# Altium PCB HAWACO_DATALOGER_DT-G2_V1.0.3.PcbDoc (part 1 of 3) (continued)
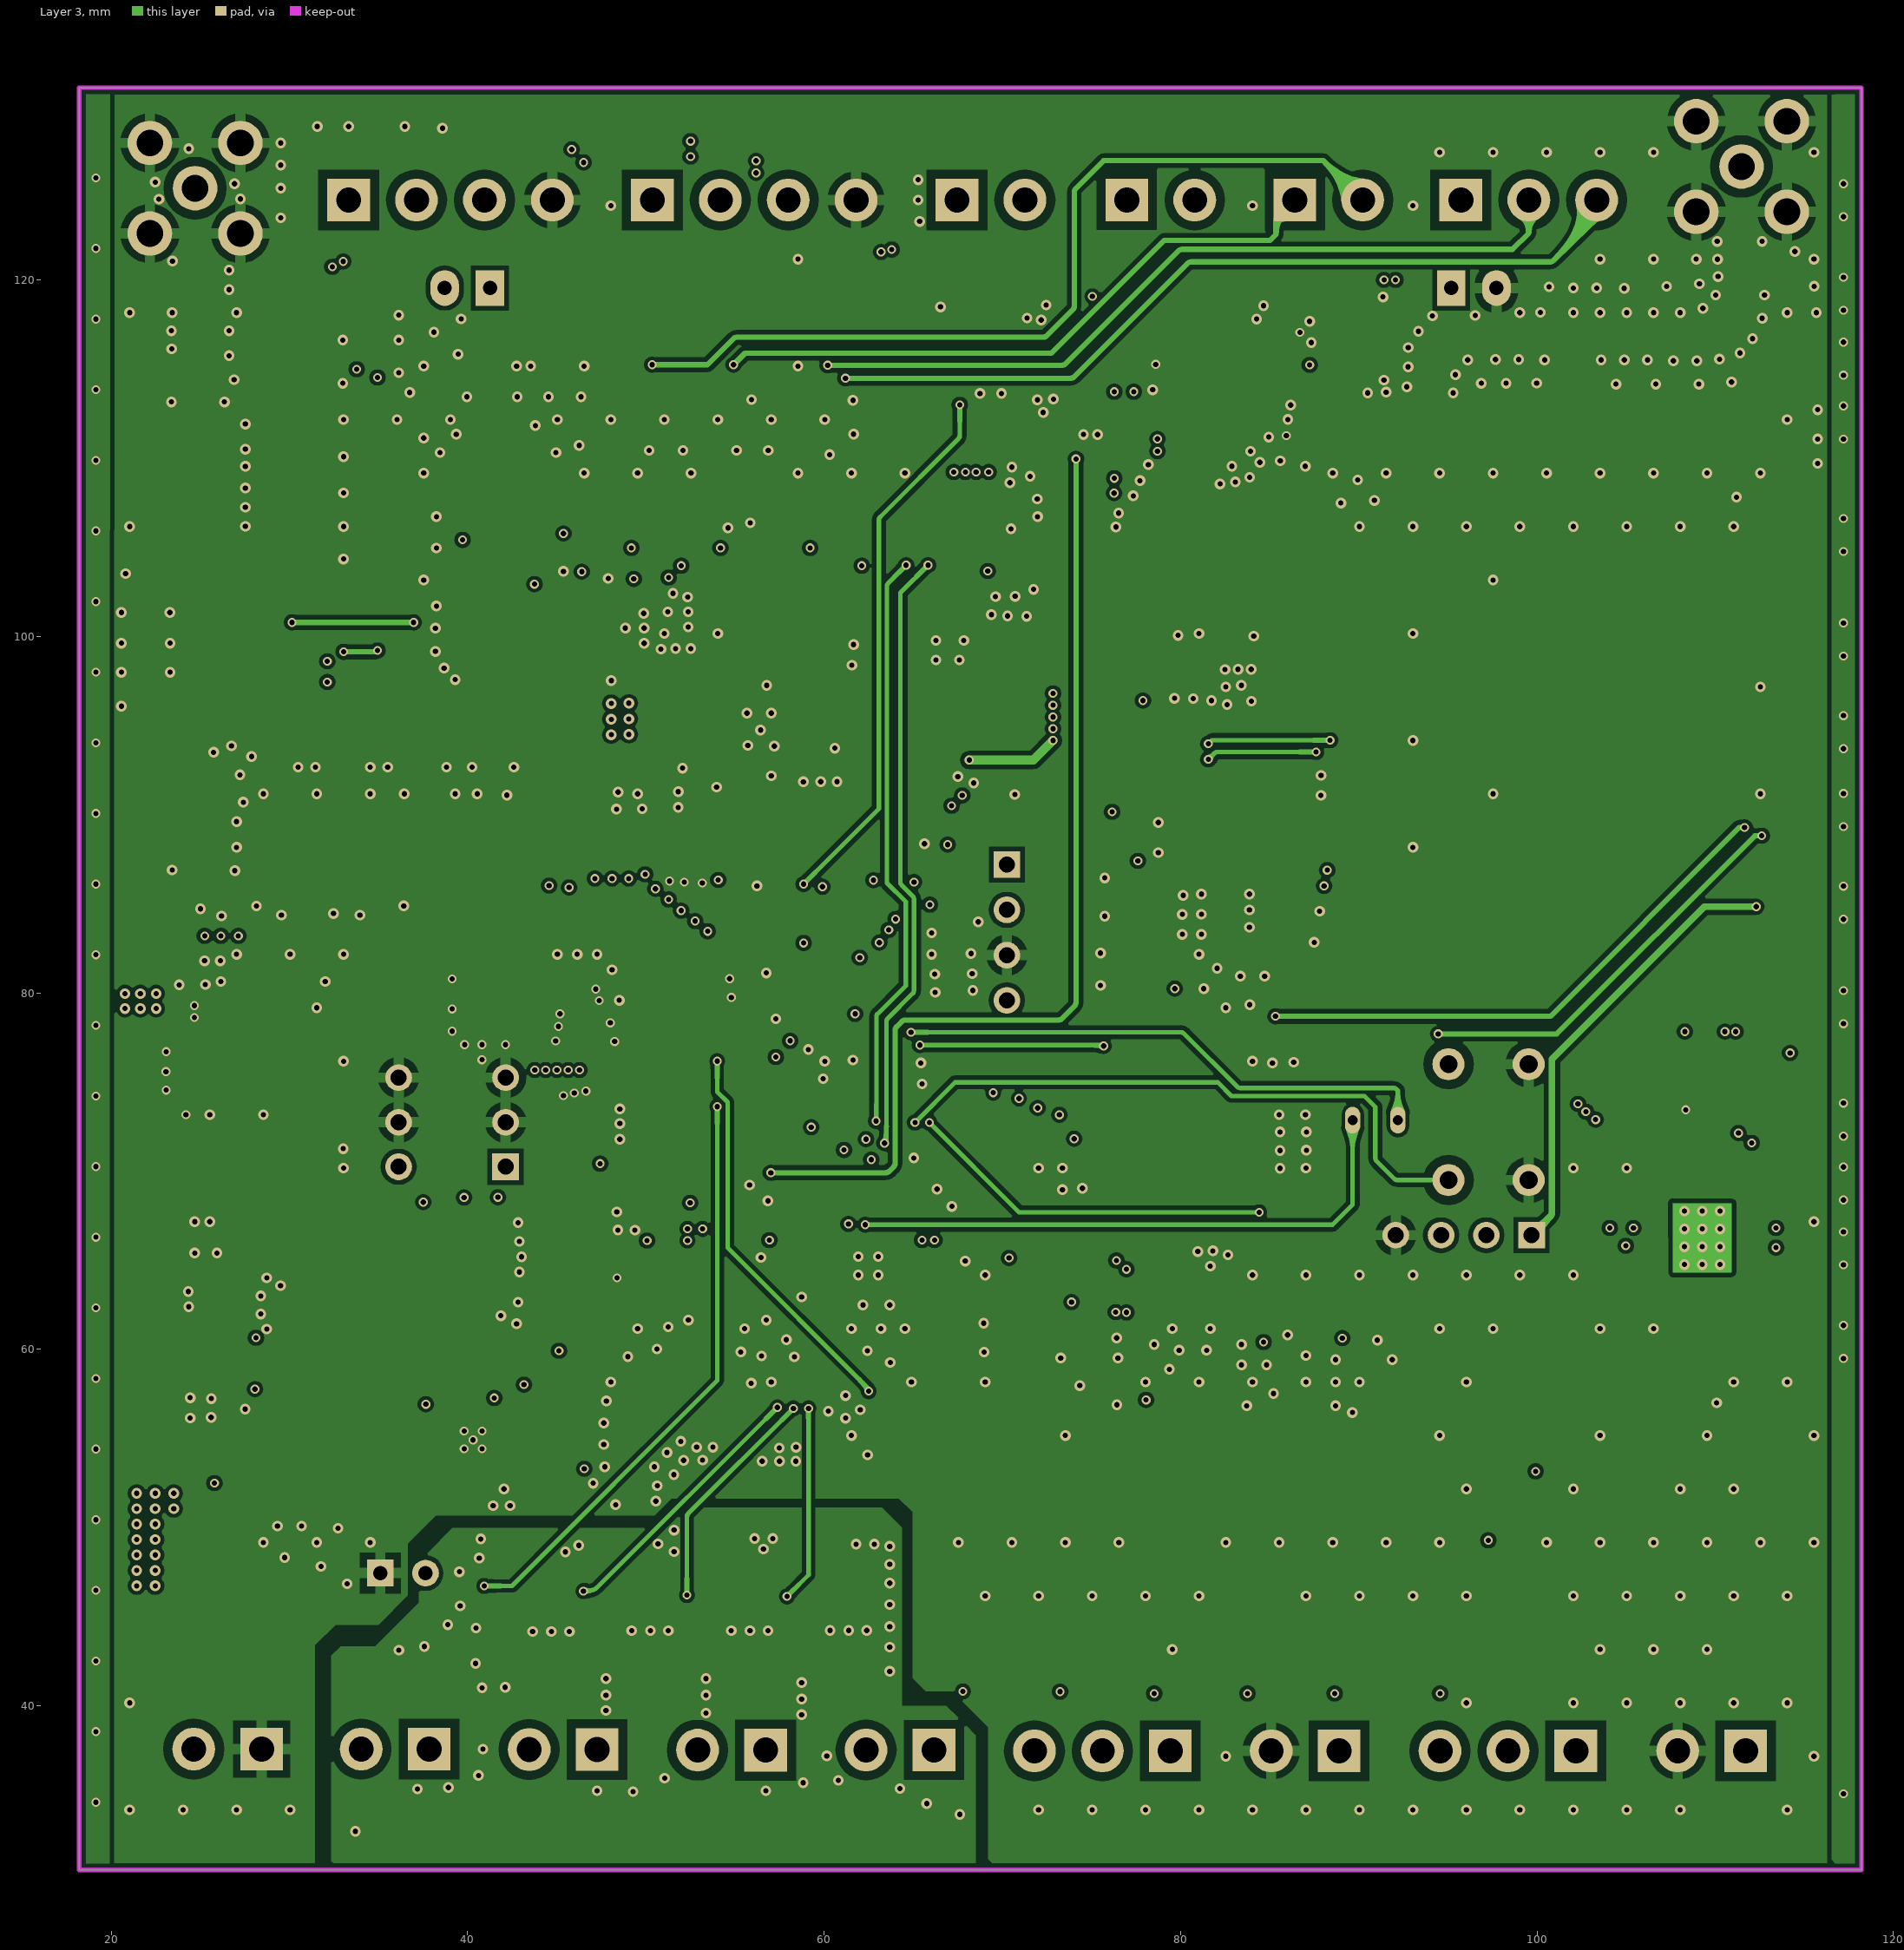
[diagram p3: Layer 3]
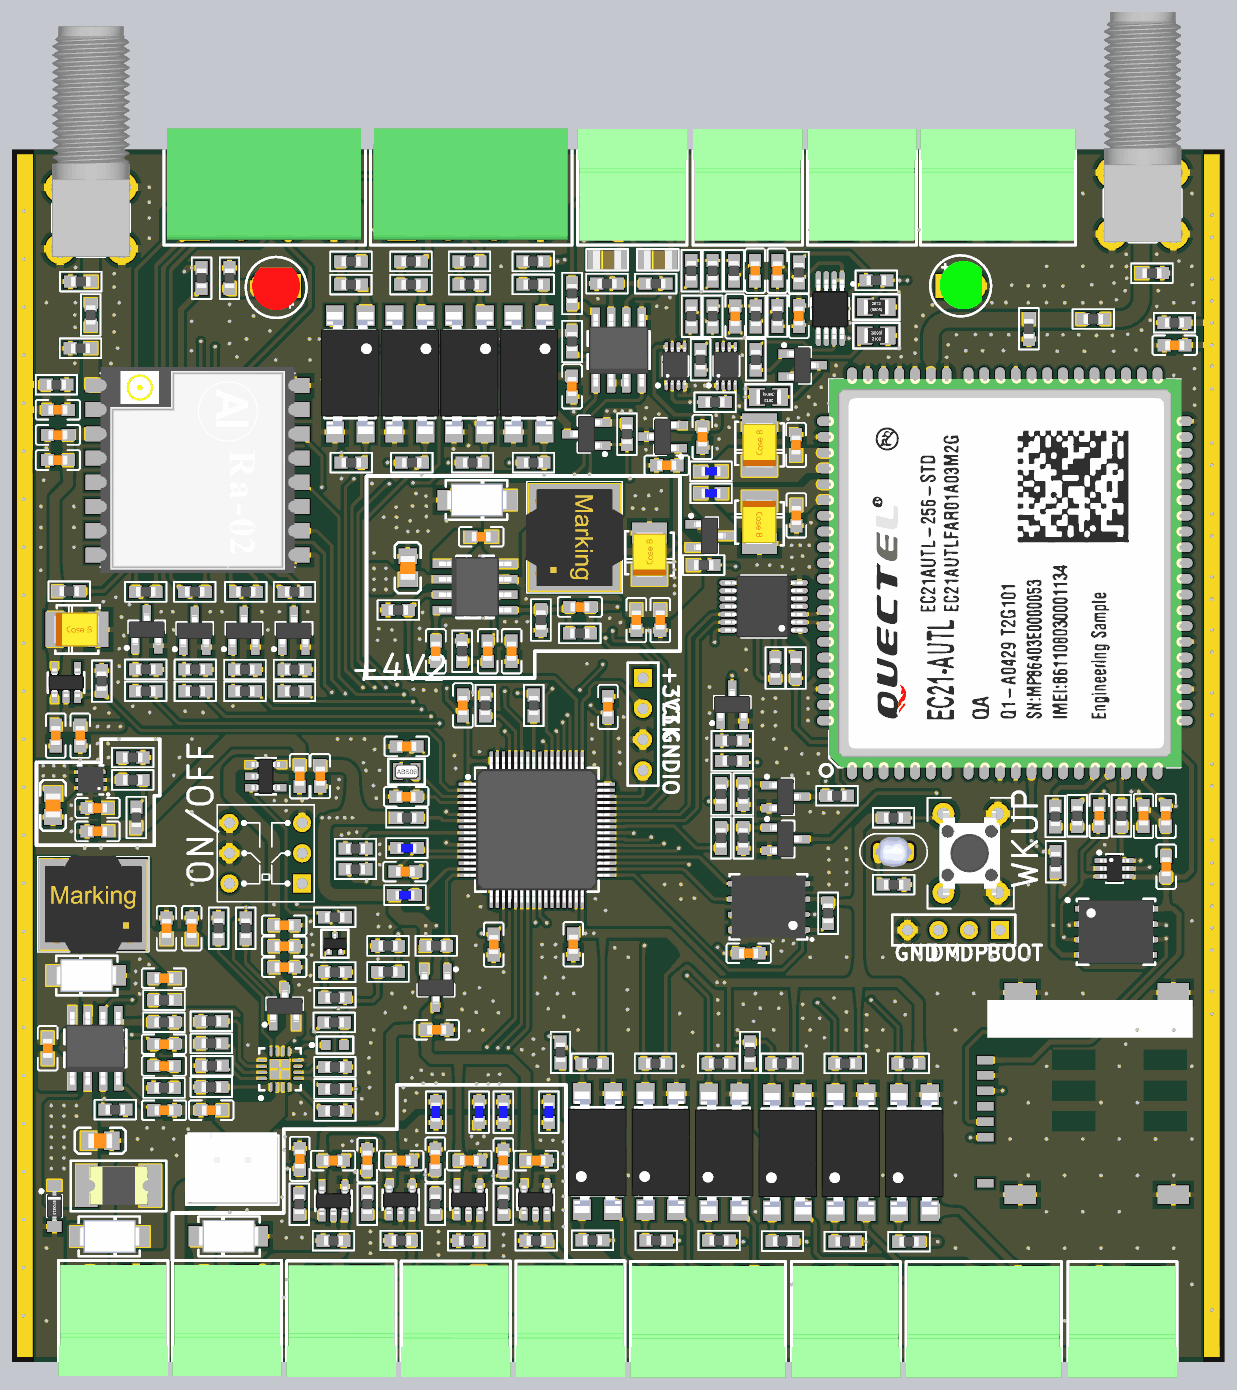
[diagram p6: 3D render of the assembled board from above, using the file's embedded part models]
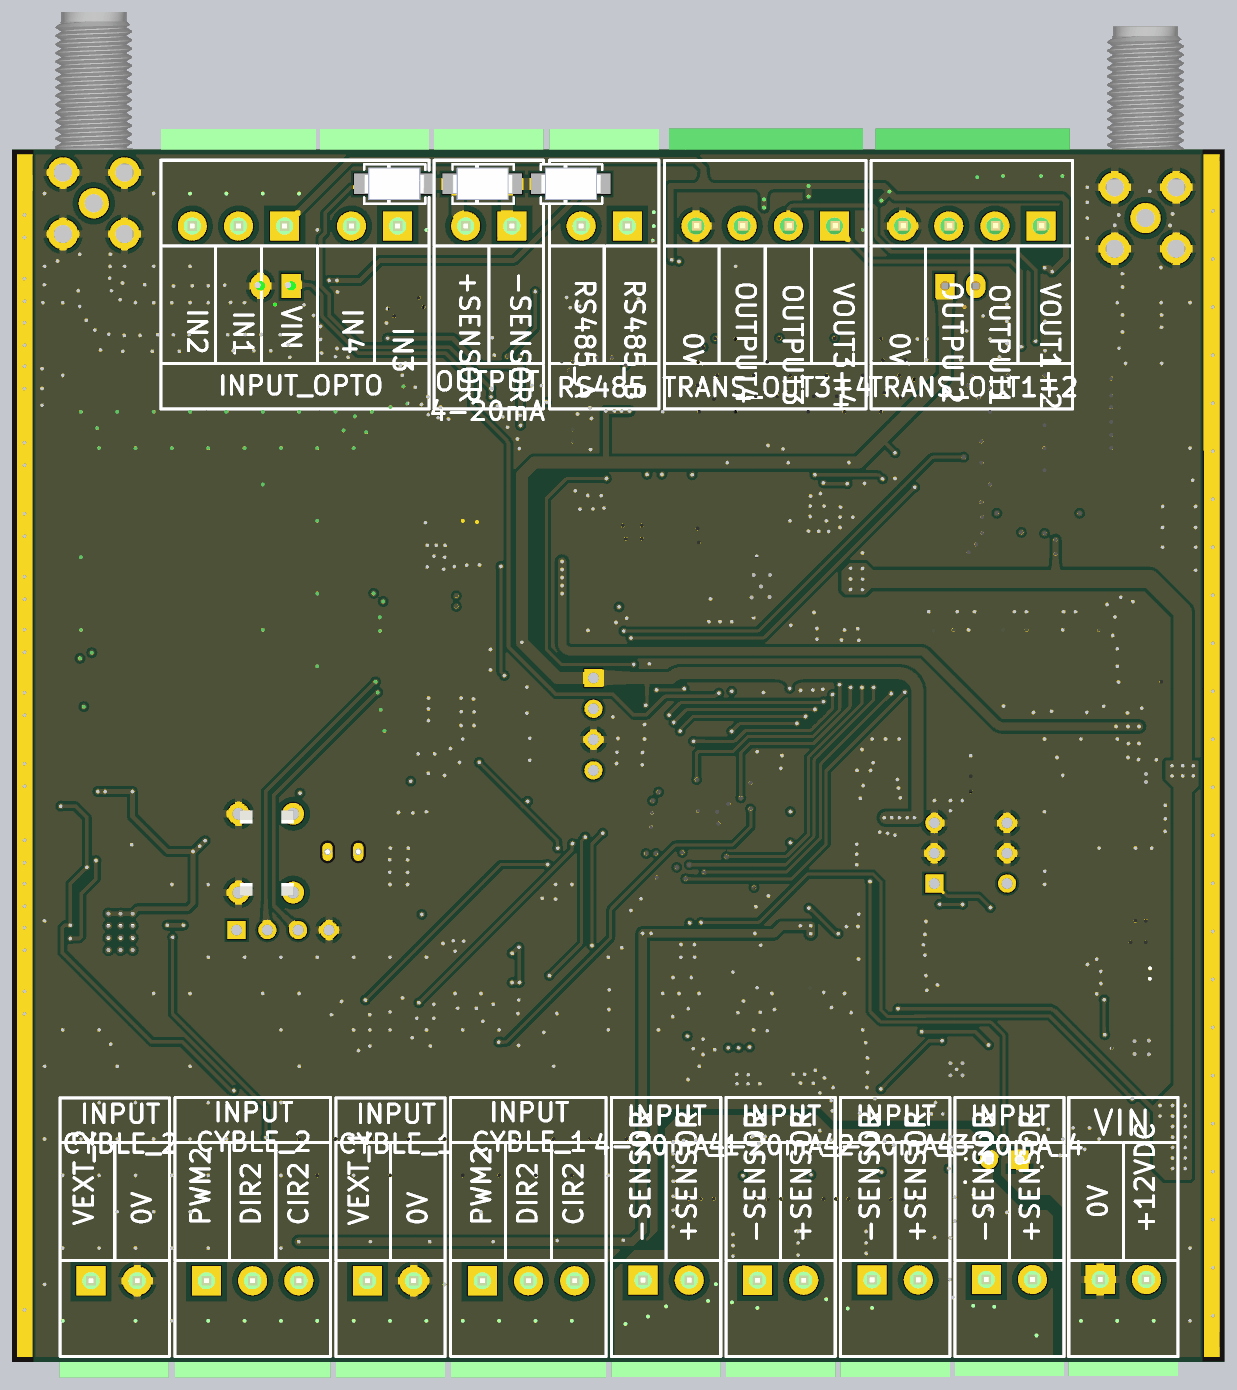
[diagram p7: 3D render of the assembled board from below, using the file's embedded part models]

## Layer stack, top to bottom
Top Solder: solder mask 0.01, Solder Resist, Dk 3.5
Top Layer: signal copper 0.036
Dielectric 2: prepreg 0.195, PP-006, Dk 4.1
Layer 2: signal copper 0.0175
Dielectric 1: dielectric 1.1, FR-4, Dk 4.8
Layer 3: signal copper 0.0175
Dielectric 3: prepreg 0.195, PP-006, Dk 4.1
Bottom Layer: signal copper 0.036
Bottom Solder: solder mask 0.01, Solder Resist, Dk 3.5

## Board outline
18.212,30.785 118.212,30.785 118.212,130.785 18.212,130.785

## Design rules (kind name [scope] priority, off if disabled: settings)
Clearance bighole [HoleDiameter >0.99 vs InPolygon] p1: gap=0.5 ignorepadtopadclearanceinfootprint=FALSE
Clearance "CUTOUT & PAD" [HasFootprint('Antenna 4G') vs OnLayer('Keep-Out Layer')] p2: gap=0.01 ignorepadtopadclearanceinfootprint=FALSE
Clearance ANT [InNet('GSM AT1')OR InNet('GSM AT2')OR InNet('NetR18_2') vs InPolygon] p3: gap=0.254 ignorepadtopadclearanceinfootprint=FALSE
Clearance "SMALL PAD" [(PadXSize_AllLayers<0.46) or (PadYSize_AllLayers<0.86)  or HasFootprint('32-VQFN') or HasFootprint('DC3_6P_1.27')] p4: gap=0.2 ignorepadtopadclearanceinfootprint=FALSE except(0.1: THPad-THPad; 0.15: Track-Track Track-SMDPad Track-Region SMDPad-SMDPad SMDPad-Region Region-Region; 0.254: Track-Poly SMDPad-Poly)
Clearance [All] p5: gap=0.254 ignorepadtopadclearanceinfootprint=FALSE except(0.15: Region-Region; 0.16: SMDPad-Region; 0.2: Arc-Arc Arc-Track Arc-SMDPad Arc-Region Track-Track Track-SMDPad Track-THPad Track-Region SMDPad-SMDPad THPad-Region Via-Region)
Height [All] p1: minheight=0 maxheight=50 prefheight=12.7
HoleSize [All] p1: absolutevalues=TRUE maxlimit=5 minlimit=0.025 maxpercent=80.000 minpercent=20.000
HoleToHoleClearance [All] p1: gap=0 allowstackedmicrovias=TRUE
MinimumSolderMaskSliver [All] p1: minsoldermaskwidth=0
PolygonConnect "big hole" [(PadXSize_AllLayers>0.9)or  (PadySize_AllLayers>0.9) or HoleDiameter > 0.79] p1: thpad.connectstyle=Relief thpad.reliefconductorwidth=0.6 thpad.reliefentries=4 thpad.polygonreliefangle="90 Angle" thpad.airgapwidth=0.5 smdpad.connectstyle=Relief smdpad.reliefconductorwidth=0.6 smdpad.reliefentries=4 smdpad.polygonreliefangle="90 Angle" smdpad.airgapwidth=0.5 via.connectstyle=Direct via.reliefconductorwidth=0.254 via.reliefentries=4 via.polygonreliefangle="90 Angle" via.airgapwidth=0.254
PolygonConnect [All] p2: thpad.connectstyle=Relief thpad.reliefconductorwidth=0.6 thpad.reliefentries=4 thpad.polygonreliefangle="90 Angle" thpad.airgapwidth=0.4 smdpad.connectstyle=Relief smdpad.reliefconductorwidth=0.4 smdpad.reliefentries=4 smdpad.polygonreliefangle="90 Angle" smdpad.airgapwidth=0.4 via.connectstyle=Direct via.reliefconductorwidth=0.254 via.reliefentries=4 via.polygonreliefangle="90 Angle" via.airgapwidth=0.254
RoutingVias [All] p1: holewidth=0.3 width=0.5 viastyle="Through Hole" minholewidth=0.3 minwidth=0.5 maxholewidth=0.3 maxwidth=0.5
ShortCircuit "ShortCircuit ANT" [HasFootprint('Antenna 4G')] p1: allowed=TRUE
ShortCircuit [All] p2: allowed=FALSE
SilkToSilkClearance [All] p1: silktosilkclearance=0
SilkToSolderMaskClearance [IsPad] p1: minsilkscreentomaskgap=0 clearancetoexposedcopper=TRUE
SolderMaskExpansion [All] p1: expansion=0.102 istentingtop=FALSE
Width [All] p1: maxlimit=5 minlimit=0.1 preferedwidth=0.254
23 further rules are at their usual default settings.

## Classes and differential pairs
component class U_05: AT1 C31 C32 C33 C34 C35 C36 C37 C38 D7 L3 L4 M1 P4 P5 Q2 Q3 Q4 R26 R27 R28 R29 R30 R31 R32 R33 R34 R35 R36 R37 R38 R39 R40 R41 R42 U7 U8 U9
component class U_04: AT2 C39 C40 C41 C42 C43 C44 C45 C46 C47 C48 C49 C50 C51 C52 C53 C54 C55 C56 C57 C58 C59 C60 C61 C62 C63 C64 C65 D8 D9 D10 D11 D12 D13 D14 D15 D16 D17 D18 D19 F2 F3 L5 L6 L7 L8 L9 L10 O1 O2 O3 O4 O5 O6 O7 O8 O9 O10 P6 P7 P8 P9 P10 P11 P12 P13 P14 P15 P16 P17 P18 P19 P20 P21 Q5 R43 R44 R45 R46 R47 R48 R49 R50 R51 R52 R53 R54 R55 R56 R57 R58 R59 R60 R61 R62 R63 R64 R65 R66 R67 R68 R69 R70 R71 R72 R73 R74 R75 R76 R77 R78 R79 R80 R81 R82 R83 R84 R85 R86 R87 R88 R89 R90 R91 R92 R93 R94 R95 R96 R97 R98 R99 R100 R101 R102 R103 R104 R105 R106 R107 R108 R109 R110 R111 R112 R113 R114 R115 R116 R117 R118 R119 R120 R121 R122 R123 R124 R125 R126 R127 R128 U10 U11 U12 U13 U14 U15 U16 U17 U18 U19 U20 U21 X1
component class U_03: C1 C2 C3 C4 C5 C6 C7 C8 C9 C10 C11 C12 C13 C14 C15 C16 C17 C18 C19 C20 C21 C22 C23 C24 C25 C26 C27 C28 C29 C30 D1 D2 D3 D4 D5 D6 F1 L1 L2 P1 P2 P3 Q1 R1 R2 R3 R4 R5 R6 R7 R8 R9 R10 R11 R12 R13 R14 R15 R16 R17 R18 R19 R20 R21 R22 R23 R24 R25 U1 U2 U3 U4 U5 U6

## Components (designator, comment, footprint, x,y, rotation, side; value= is the part's Value field where it differs from the comment)
AT1 "SMA" SMA-KWE-17-V1 111.481,126.365 r90 top
AT2 "SMA" SMA-KWE-17-V1 24.714,125.146 r90 top
C1 "104/50V" "CAPC-0603 (1608)" 56.912,98.853 r0 top
C2 "10uF/25V" "CAPC-0805 (2012)" 50.85,96.288 r270 top
C3 "NF" CAP_TANTAL_1210(3528) 70.79,97.409 r90 top value=227/6.3V
C4 "47uF/6.3V" "CAPC-0603 (1608)" 71.676,91.983 r90 top
C5 "104/50V" "CAPC-0603 (1608)" 69.706,91.977 r90 top
C6 "103/16V" "CAPC-0603 (1608)" 65.046,93.062 r0 top
C7 "10uF/25V" "CAPC-0805 (2012)" 21.581,76.689 r90 top
C8 "105/16V" "CAPC-0603 (1608)" 25.248,76.479 r0 top
C9 "105/16V" "CAPC-0603 (1608)" 25.247,74.545 r0 top
C10 "103/16V" "CAPC-0603 (1608)" 57.443,89.409 r270 top
C11 "47p/50V" "CAPC-0603 (1608)" 59.41,89.409 r90 top
C12 "103/16V" "CAPC-0603 (1608)" 53.166,89.409 r270 top
C13 "104/50V" "CAPC-0603 (1608)" 21.133,56.648 r90 top
C14 "NF" "CAPC-0603 (1608)" 21.806,82.449 r90 top value=106/10V
C15 "NF" "CAPC-0603 (1608)" 23.825,82.448 r90 top value=104/50V
C16 "NF" "CAPC-0603 (1608)" 21.979,105.177 r0 top value=106/10V
C17 "NF" "CAPC-0603 (1608)" 21.979,107.25 r0 top value=104/50V
C18 "10uF/25V" "CAPC-0805 (2012)" 25.476,49.022 r180 top
C19 "47uF/6.3V" "CAPC-0603 (1608)" 30.944,66.549 r270 top
C20 "104/50V" "CAPC-0603 (1608)" 33.026,66.549 r270 top
C21 "103/16V" "CAPC-0603 (1608)" 30.732,62.433 r0 top
C22 "103/16V" "CAPC-0603 (1608)" 30.732,55.194 r0 top
C23 "47p/50V" "CAPC-0603 (1608)" 30.732,56.989 r180 top
C24 "103/16V" "CAPC-0603 (1608)" 30.74,51.537 r0 top
C25 "106/10V" "CAPC-0603 (1608)" 40.653,63.335 r180 top
C26 "106/10V" "CAPC-0603 (1608)" 40.653,65.068 r180 top
C27 "104/50V" "CAPC-0603 (1608)" 40.653,66.802 r180 top
C28 "106/10V" "CAPC-0603 (1608)" 41.927,79.098 r90 top
C29 "104/50V" "CAPC-0603 (1608)" 43.629,79.101 r90 top
C30 "106/10V" "CAPC-0603 (1608)" 34.64,51.545 r0 top
C31 "104/50V" "CAPC-0603 (1608)" 113.417,71.633 r270 top
C32 "227/6.3V" CAP_TANTAL_1210(3528) 79.858,100.051 r270 top
C33 "227/6.3V" CAP_TANTAL_1210(3528) 79.858,106.426 r90 top
C34 "104/50V" "CAPC-0603 (1608)" 82.906,100.609 r270 top
C35 "104/50V" "CAPC-0603 (1608)" 82.88,106.426 r90 top
C36 "471/50V" "CAPC-0603 (1608)" 113.392,75.829 r90 top
C37 "10p/50V" "CAPC-0603 (1608)" 111.547,75.824 r270 top
C38 "10p/50V" "CAPC-0603 (1608)" 107.895,75.829 r270 top
C39 "104/50V" "CAPC-0603 (1608)" 50.308,47.387 r0 top
C40 "104/50V" "CAPC-0603 (1608)" 61.424,47.387 r0 top
C41 "104/50V" "CAPC-0603 (1608)" 55.925,47.387 r0 top
C42 "104/50V" "CAPC-0603 (1608)" 44.69,47.387 r0 top
C43 "106/10V" "CAPC-0603 (1608)" 53.233,58.176 r0 top
C44 "104/50V" "CAPC-0603 (1608)" 114.121,114.656 r0 top
C45 "103/16V" "CAPC-0603 (1608)" 47.498,47.422 r270 top
C46 "103/16V" "CAPC-0603 (1608)" 58.732,47.391 r270 top
C47 "103/16V" "CAPC-0603 (1608)" 53.12,47.472 r270 top
C48 "103/16V" "CAPC-0603 (1608)" 41.935,47.523 r270 top
C49 "104/50V" "CAPC-0603 (1608)" 21.979,109.324 r180 top
C50 "10p/50V" "CAPC-0603 (1608)" 50.759,81.553 r0 top
C51 "10p/50V" "CAPC-0603 (1608)" 50.716,77.398 r0 top
C52 "104/50V" "CAPC-0603 (1608)" 78.969,64.488 r180 top
C53 "104/50V" "CAPC-0603 (1608)" 57.937,65.206 r90 top
C54 "104/50V" "CAPC-0603 (1608)" 67.365,84.819 r270 top
C55 "104/50V" "CAPC-0603 (1608)" 55.397,84.938 r270 top
C56 "104/50V" "CAPC-0603 (1608)" 64.501,65.231 r90 top
C57 "223/50V" "CAPC-0603 (1608)" 64.398,111.249 r270 top
C58 "104/50V" "CAPC-0603 (1608)" 50.649,71.231 r0 top
C59 "NF" CAP_TANTAL_1210(3528) 23.546,91.211 r0 top value=227/6.3V
C60 "104/50V" "CAPC-0603 (1608)" 72.212,104.75 r0 top
C61 "106/10V" "CAPC-0603 (1608)" 75.16,107.086 r270 top
C62 "103/25V" "CAPC-0603 (1608)" 81.339,120.798 r90 top
C63 "103/25V" "CAPC-0603 (1608)" 83.117,117.058 r90 top
C64 "103/25V" "CAPC-0603 (1608)" 79.506,120.798 r90 top
C65 "103/25V" "CAPC-0603 (1608)" 77.861,117.034 r270 top
D1 "60V/3A" DIODE_DO214AC_SMA 26.276,41.123 r0 top
D2 "16V/7A" SOD123 21.692,43.637 r90 top
D3 "60V/3A" DIODE_DO214AC_SMA 56.577,101.877 r0 top
D4 "60V/3A" DIODE_DO214AC_SMA 24.308,62.662 r180 top
D5 "20V/4A" SOT23_3 40.691,60.122 r90 top
D6 "RED" "LED 0603" 44.836,56.92 r180 top
D7 "20V/4A" SOT23_3 75.743,98.933 r0 top
D8 "20V/4A" SOT23_3 53.166,61.641 r270 top
D9 "26V/8.6A" DIODE_DO214AC_SMA 36.043,41.148 r180 top
D10 "LED GREEN" LED_3MM-GREEN 95.191,119.548 r0 top
D11 "NF" LED_3MM-RED 41.258,119.548 r180 top value="LED RED"
D12 "20V/4A" SOT23_3 65.586,107.319 r180 top
D13 "SS34" DIODE_DO214AC_SMA 86.716,127.965 r0 bottom
D14 "26V/8.6A" DIODE_DO214AC_SMA 79.426,127.965 r0 bottom
D15 "SS34" DIODE_DO214AC_SMA 72.136,127.965 r0 bottom
D16 "DMN6140L-13" SOT23_3 29.313,91.211 r90 top
D17 "DMN6140L-13" SOT23_3 41.459,91.097 r90 top
D18 "DMN6140L-13" SOT23_3 37.333,91.097 r90 top
D19 "DMN6140L-13" SOT23_3 33.278,91.097 r90 top
F1 "16V/1.6A" FUSE_1812(4532) 26.988,45.314 r180 top
F2 "6V/0.75A" "FUSE 0ZCK_BEL" 67.301,121.703 r0 top
F3 "6V/0.75A" "FUSE 0ZCK_BEL" 71.472,121.703 r0 top
L1 "10uH/3.3A" IND-74404084150 64.608,98.803 r270 top
L2 "10uH/3.3A" IND-74404084150 24.909,68.532 r0 top
L3 "23R/4A" "IND-0603 (1608)" 75.87,102.438 r0 top
L4 "23R/4A" "IND-0603 (1608)" 75.863,104.25 r0 top
L5 "23R/4A" "IND-0603 (1608)" 53.163,51.383 r270 top
L6 "23R/4A" "IND-0603 (1608)" 58.732,51.383 r270 top
L7 "23R/4A" "IND-0603 (1608)" 62.484,51.384 r270 top
L8 "23R/4A" "IND-0603 (1608)" 56.726,51.383 r270 top
L9 "23R/4A" "IND-0603 (1608)" 50.622,69.291 r0 top
L10 "23R/4A" "IND-0603 (1608)" 50.775,73.172 r0 top
M1 "MODULE EC21" EC21 100.101,95.834 r90 top
O1 "LTV-816S-TA1" "OPTO 1" 92.634,48.031 r90 top
O2 "LTV-816S-TA1" "OPTO 1" 71.725,48.133 r90 top
O3 "LTV-816S-TA1" "OPTO 1" 82.179,48.031 r90 top
O4 "LTV-816S-TA1" "OPTO 1" 76.952,48.082 r90 top
O5 "LTV-816S-TA1" "OPTO 1" 87.406,48.031 r90 top
O6 "LTV-816S-TA1" "OPTO 1" 66.497,48.133 r90 top
O7 "LTV-816S-TA1" "OPTO 1" 60.838,112.293 r270 top
O8 "LTV-816S-TA1" "OPTO 1" 46.101,112.293 r270 top
O9 "LTV-816S-TA1" "OPTO 1" 55.926,112.293 r270 top
O10 "LTV-816S-TA1" "OPTO 1" 51.013,112.293 r270 top
P1 "15EDG3.81-2P" HDR_3.81MM_RA_2x1 28.448,37.573 r180 top
P2 "Value" KFC8x8 39.133,72.743 r180 top locked
P3 "XH2.54mm" XH2.54-2P 37.008,47.447 r0 top
P4 "NF" MUP-C792 98.501,55.677 r90 top value=MUP-C792
P5 "Header 4P" HDR1X4 99.7,66.404 r180 top
P6 "15EDG3.81-2P" HDR_3.81MM_RA_2x1 56.718,37.516 r180 top
P7 "15EDG3.81-2P" HDR_3.81MM_RA_2x1 47.269,37.547 r180 top
P8 "15EDG3.81-2P" HDR_3.81MM_RA_2x1 37.846,37.573 r180 top
P9 "15EDG3.81-2P" HDR_3.81MM_RA_2x1 66.167,37.522 r180 top
P10 "15EDG3.81-2P" HDR_3.81MM_RA_2x1 111.709,37.471 r180 top
P11 "Header 4P" HDR1X4 70.256,87.198 r270 top
P12 "15EDG3.81-3P" HDR_3.81MM_RA_3x1 102.184,37.471 r180 top
P13 "15EDG3.81-2P" HDR_3.81MM_RA_2x1 88.9,37.471 r180 top
P14 "15EDG3.81-3P" HDR_3.81MM_RA_3x1 79.426,37.471 r180 top
P15 "Value" "BUTTON 4P_6X6" 97.287,72.746 r90 top
P16 "15EDG3.81-2P" HDR_3.81MM_RA_2x1 67.462,124.485 r0 top
P17 "15EDG3.81-3P" HDR_3.81MM_RA_3x1 95.733,124.485 r0 top
P18 "15EDG3.81-2P" HDR_3.81MM_RA_2x1 86.411,124.485 r0 top
P19 "15EDG3.81-2P" HDR_3.81MM_RA_2x1 76.987,124.485 r0 top
P20 "15EDG3.81-4P" HDR_3.81MM_RA_4X1 33.325,124.485 r0 top
P21 "15EDG3.81-4P" HDR_3.81MM_RA_4X1 50.368,124.485 r0 top
Q1 "SI1012CR-T1-GE3-ND" SOT-416 44.831,65.278 r90 top
Q2 "2SC1815" SOT23_3 77.61,85 r90 top
Q3 "2SC1815" SOT23_3 82.005,77.404 r0 top
Q4 "2SC1815" SOT23_3 82.02,73.91 r0 top
Q5 "2SC1815" SOT23_3 83.414,113.005 r0 top
R1 "1M" "RESC-0603 (1608)" 28.455,75.689 r270 top
R2 "200K" "RESC-0603 (1608)" 65.046,90.883 r0 top
R3 "100K" "RESC-0603 (1608)" 50.064,92.808 r0 top
R4 "680K" "RESC-0603 (1608)" 28.155,78.787 r0 top
R5 "47K" "RESC-0603 (1608)" 61.833,91.983 r90 top
R6 "1M" "RESC-0603 (1608)" 28.156,80.641 r180 top
R7 "51K" "RESC-0603 (1608)" 55.325,89.41 r270 top
R8 "NF" "RESC-0603 (1608)" 25.603,86.944 r270 top value=100K
R9 "270K" "RESC-0603 (1608)" 30.734,60.63 r0 top
R10 "100K" "RESC-0603 (1608)" 26.721,51.587 r180 top
R11 "51K" "RESC-0603 (1608)" 30.734,58.794 r180 top
R12 "51K" "RESC-0603 (1608)" 30.734,53.385 r0 top
R13 "7.5M" "RESC-0603 (1608)" 44.831,67.462 r0 top
R14 "7.5M" "RESC-0603 (1608)" 44.836,60.822 r0 top
R15 "100K" "RESC-0603 (1608)" 37.477,66.549 r270 top
R16 "7.5M" "RESC-0603 (1608)" 44.831,62.935 r180 top
R17 "1K" "RESC-0603 (1608)" 34.678,55.215 r180 top
R18 "10K" "RESC-0603 (1608)" 44.837,53.297 r180 top
R19 "10K" "RESC-0603 (1608)" 34.641,53.451 r180 top
R20 "10K" "RESC-0603 (1608)" 34.641,57.054 r180 top
R21 "1K2" "RESC-0603 (1608)" 35.235,66.549 r270 top
R22 "100K" "RESC-0603 (1608)" 44.837,55.109 r180 top
R23 "10K" "RESC-0603 (1608)" 44.837,51.484 r180 top
R24 "47K" "RESC-0603 (1608)" 34.641,58.885 r0 top
R25 "2K2" "RESC-0603 (1608)" 44.781,58.782 r180 top
R26 "100K" "RESC-0603 (1608)" 75.26,96.52 r180 top
R27 "100K" "RESC-0603 (1608)" 86.263,77.485 r0 top
R28 "1K" "RESC-0603 (1608)" 77.61,80.364 r180 top
R29 "10K" "RESC-0603 (1608)" 77.61,82.028 r180 top
R30 "100K" "RESC-0603 (1608)" 82.866,88.024 r270 top
R31 "1K" "RESC-0603 (1608)" 76.688,77.625 r90 top
R32 "1K" "RESC-0603 (1608)" 76.688,74.007 r90 top
R33 "10K" "RESC-0603 (1608)" 78.536,77.625 r90 top
R34 "10K" "RESC-0603 (1608)" 78.536,74.007 r90 top
R35 "100K" "RESC-0603 (1608)" 81.173,88.024 r270 top
R36 "0R" "RESC-0603 (1608)" 107.404,116.819 r0 top
R37 "NF" "RESC-0603 (1608)" 102.087,116.009 r90 top value=0R
R38 "NF" "RESC-0603 (1608)" 112.243,120.599 r180 top value=0R
R39 "10K" "RESC-0603 (1608)" 104.267,75.773 r270 top
R40 "22R" "RESC-0603 (1608)" 109.728,75.824 r270 top
R41 "NF" "RESC-0603 (1608)" 104.292,72.039 r90 top value=0R
R42 "22R" "RESC-0603 (1608)" 106.07,75.824 r270 top
R43 "100K" "RESC-0603 (1608)" 114.096,116.51 r0 top
R44 "100K" "RESC-0603 (1608)" 53.188,65.1 r180 top
R45 "10K" "RESC-0603 (1608)" 47.508,43.781 r270 top
R46 "10K" "RESC-0603 (1608)" 58.732,43.781 r270 top
R47 "10K" "RESC-0603 (1608)" 53.12,43.781 r270 top
R48 "10K" "RESC-0603 (1608)" 41.896,43.781 r270 top
R49 "1R" "RESC-0603 (1608)" 50.308,40.794 r0 top
R50 "1R" "RESC-0603 (1608)" 61.452,40.775 r0 top
R51 "1R" "RESC-0603 (1608)" 55.882,40.775 r0 top
R52 "1R" "RESC-0603 (1608)" 44.715,40.775 r0 top
R53 "100K" "RESC-0603 (1608)" 21.86,111.398 r180 top
R54 "100K" "RESC-0603 (1608)" 92.151,55.397 r0 top
R55 "100K" "RESC-0603 (1608)" 71.283,55.397 r0 top
R56 "10K" "RES NTC 10K" 90.927,72.857 r90 top